# KiCad board IotThermalCamera.kicad_pcb (continued)
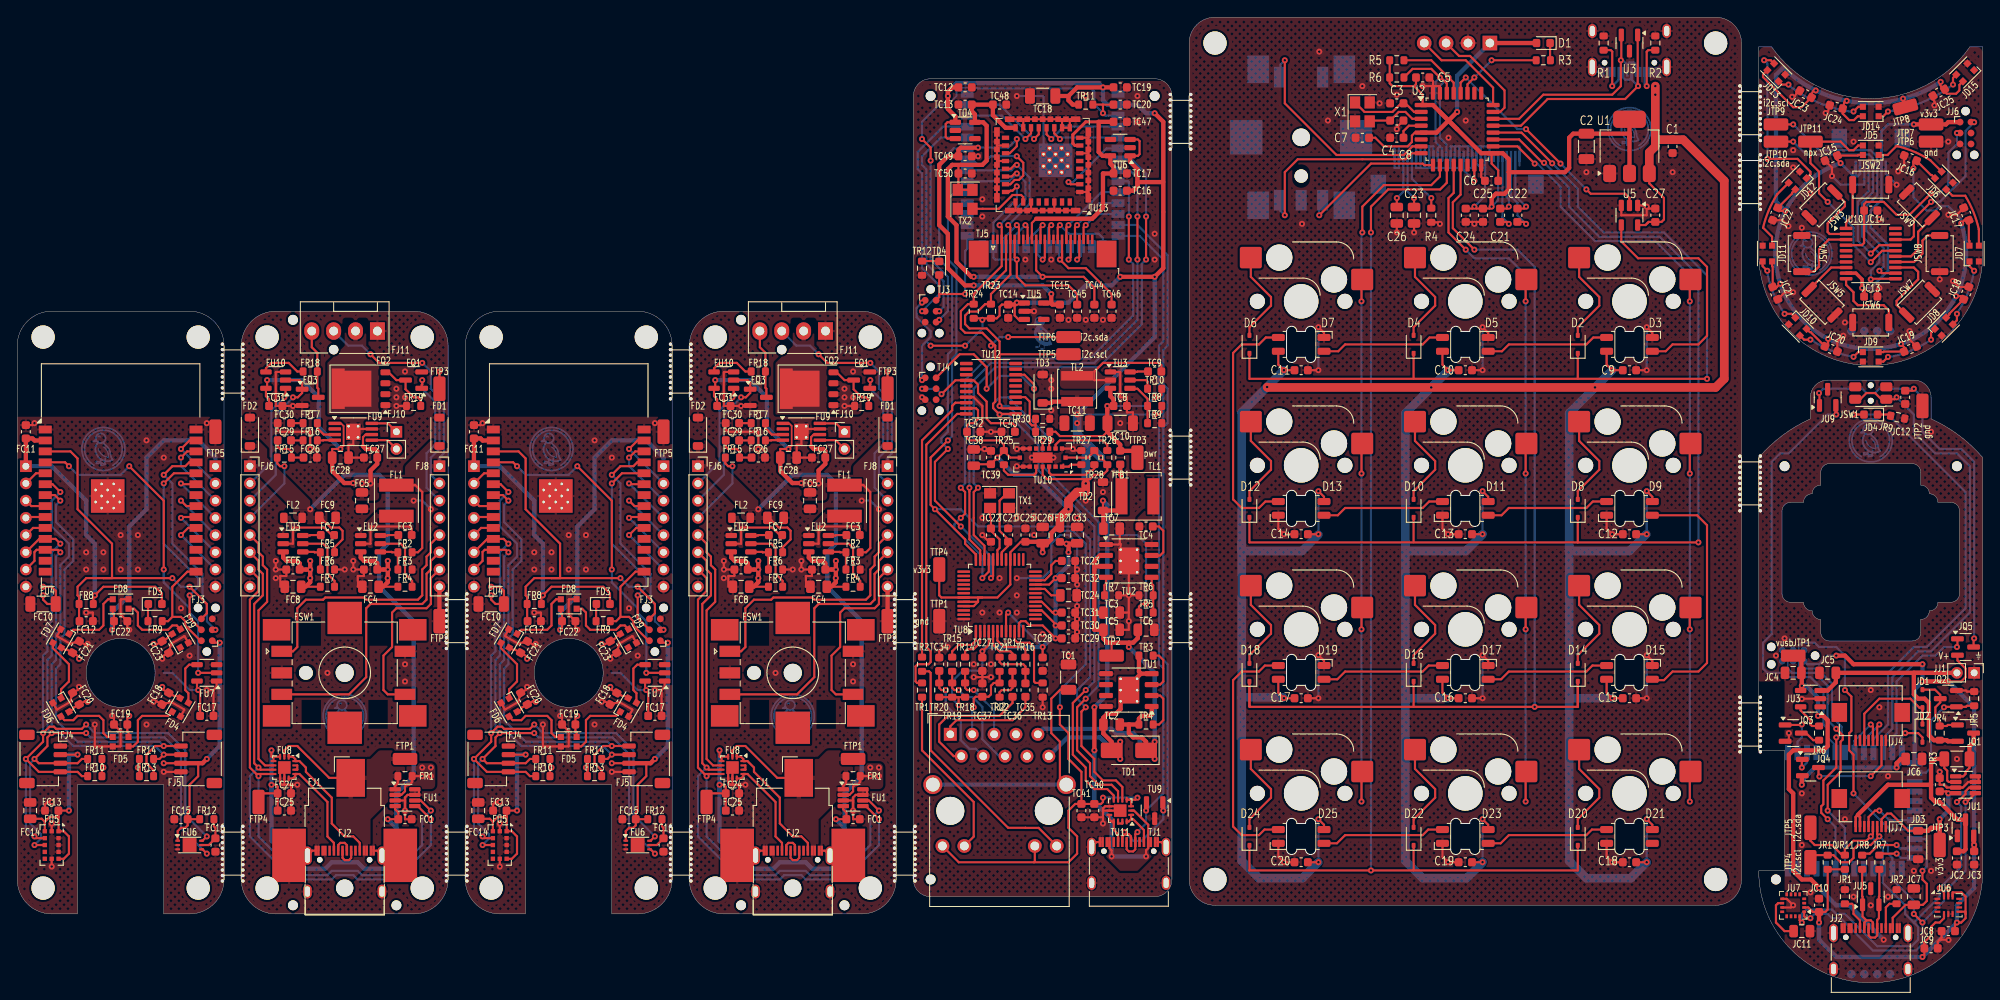
[diagram p0: board, top side]
## Routing (per net, layer and track width the routed paths; a pad name or vN(x,y) marks a point on that pad's centre or on a via; arc(x,y) is an arc through that point) (continued)
Jbtns_btns.sw[6].out: length 7.3
  Front w0.26: JSW8.1 221.7,86.8 221.1,86.2 221.1,84.7 220.12,83.72 217.96,83.72
Jbtns_btns.sw[7].out: length 7.3
  Front w0.26: JSW9.1 220.6,87.23 220.6,85.2 219.78,84.38 JU10.15
Jbtns_btns.vbat: length 157.2
  Front w0.25: v1(218.6,74.2) 218.98,73.82 JC19.1 216.62,73.32 216.55,73.25 JD9.4 ; v1(223.22,104.64) 223.13,104.34 223.52,103.66 223.92,103.26 225,103.26 225.39,103.65 225.39,104.29 JD15.4 ; JD8.4 224.22,77.63 224.22,77.72 JC18.1 225.53,79.75 v1(225,79.75) ; v1(208.72,103.64) 208.41,103.56 208.02,102.89 ; JD10.4 208.03,75.58 208.12,75.58 JC20.1 210.15,74.27 v1(210.15,74.8) ; v1(205.2,89.65) 204.67,89.65 JC22.1 205.98,91.68 205.98,91.77 JD12.4 ; JD13.4 202.6,105.49 202.6,105.2 206.1,101.7 207.08,101.7 JC23.1 ; JD11.4 203.65,83.25 203.72,83.18 JC21.1 204.22,80.82 v1(204.6,81.2) ; JD5.4 213.65,96.15 213.58,96.08 JC15.1 211.22,95.58 v1(211.6,95.2) ; v1(218.85,102.7) 218.85,101.95 219.1,101.7 ; JD14.4 213.6,100.65 213.15,100.2 212.6,100.2 211.84,100.96 JC24.1 212.04,102.28 v1(212.31,102.44) ; v1(220.05,94.6) 220.05,95.13 JC16.1 222.08,93.82 222.17,93.82 JD6.4 ; v1(225.6,88.2) 225.98,88.58 JC17.1 226.48,86.22 226.55,86.15 JD7.4
  Back w0.25: v1(225.6,88.2) 225.6,88.7 224.1,90.2 223.1,90.2 222.6,89.7 221.6,89.7 220.05,91.25 v1(220.05,94.6)
  Back w0.3: 213.35,93.7 213.6,93.7 213.85,93.95 JJ8.2 ; 213.35,93.7 JJ8.1 ; 213.35,93.7 213.1,93.7 v1(211.6,95.2)
  Back w0.5: 223.1,104.58 arc(213.72,102.24) 204.96,106.3 204.1,105.45 204.1,90.75 v1(205.2,89.65) ; v1(225.6,88.2) arc(210.15,74.8) v1(211.6,95.2)
Jbumper_sw.out: length 56.8
  Front w0.25: JSW1.1 213.88,67.78 214.6,68.5 215.6,68.5 216.32,67.78 JSW1.1 217.88,67.78 v1(218.1,68)
  Back w0.25: JU4.11 216.5,28.4 217.6,29.5 217.6,35.5 220.6,38.5 222.1,38.5 226.6,43 226.6,60 225.1,61.5 222.57,61.5 220.1,63.97 220.1,66 v1(218.1,68)
Jchg.ic.prog: length 3.6
  Front w0.25: JR6.2 208.28,29.82 208.1,30 208.1,30.5 206.96,31.64 JU3.5
Jchg.prog_ctl: length 5.4
  Front w0.25: v1(207.1,30) 207.05,29.95 JQ3.1
  Back w0.25: JU4.2 206.6,28 207.1,28.5 v1(207.1,30)
Jchg.prog_res.gnd: length 1.8
  Front w0.25: JR6.1 208.43,28.18 207.6,29
Jgate.btn_in: length 12.9
  Front w0.25: JJ4.6 214.35,31.25 216.1,33 219.7,33 220.75,31.95 JD1.1 JD2.1
Jgate.btn_out: length 5.2
  Front w0.25: JD2.2 221.1,28.5 220.6,29 v1(219.1,29)
  Back w0.25: JU4.13 218.7,28.6 v1(219.1,29)
Jgate.control: length 13.3
  Front w0.25: v1(223.6,32) 223.65,32.05 JQ2.1 226.15,32.05 226.28,32.18 JR5.2
  Back w0.25: JU4.15 221.5,24.4 222.1,25 222.1,30.5 v1(223.6,32)
Jgate.pull_res.b: length 8.5
  Front w0.25: JQ1.1 224.05,29.95 223.93,29.82 JR4.2 223.1,30.5 222.6,31 222.6,32 223.16,32.56 JQ2.3 223.16,33.44 222.55,34.05 JD1.2
Jgnd: length 19.4
  Front w0.25: JU3.2 207.13,33 v1(207.1,32.97) ; 223.1,5 223.32,5.22 JC8.2 ; 223.1,5 222.88,4.78 JC9.2 ; 223.1,5 224.1,5 v1(224.13,4.97) ; JU7.9 205.35,9.75 v1(206.1,9) 205.85,8.75 JU7.11 ; 227.6,24 227.6,23.2 ; 227.6,24 227.57,23.97 JU1.8 227.26,24 227.6,24 ; JR5.1 226.28,33.82 226.15,33.95 JQ2.2 ; JC7.2 219.55,10.95 ; JQ3.2 205.21,28 205.6,28 v1(205.6,29) ; JC1.2 223.1,23 223.6,23 223.93,22.68 JU1.3 225.78,22.68 226.43,23.32 JU1.7
  Back w0.5: JJ3.5 204.74,37.37
  vias: v1(204.1,38) v1(205.1,40) v1(207.1,22) v1(207.1,16) v1(208.1,10.5) v1(212.1,19) v1(213.1,10) v1(215.1,34) v1(215.1,9) v1(216.1,32) v1(217.1,24) v1(217.1,10) v1(220.1,13) v1(222.1,64) v1(222.1,13) v1(223.1,24.5) v1(225.1,26)
Jledr.package.k: length 1.6
  Front w0.25: JD4.1 217.27,66 JR9.1
Jledr.signal: length 53.5
  Front w0.25: v1(213.1,66) JD4.2
  Back w0.25: v1(213.1,66) 217.1,66 226.1,57 226.1,43.5 221.6,39 220.1,39 217.1,36 217.1,30 215.4,28.3 JU4.10
Jmag.ic.c1: length 5.3
  Front w0.25: JU7.10 204.35,9.25 204.1,9 204.1,7 205.1,6 JC11.1
Jmcu.reset_node: length 33.6
  Front w0.25: v1(213.1,22) 213.1,26.5 212.6,27 212.6,29 212.85,29.25 212.85,33.25 v1(212.1,34)
  Back w0.16: JJ3.3 206.1,37.69 206.75,38.33 206.75,39.15
  Back w0.25: v1(212.1,34) 212.1,38 211.1,39 209.1,39 208.6,39.5 207.1,39.5 206.75,39.15 ; JU4.21 217.3,17.8 v1(213.1,22)
Jmcu.swd_node.swclk: length 31.4
  Front w0.25: v1(211.1,29.5) 211.85,28.75 211.85,28.25 211.6,28 211.6,24.5 210.1,23 v1(210.1,20)
  Back w0.16: JJ3.4 205.48,38.01 205.48,36.5
  Back w0.25: v1(211.1,29.5) 210.1,30.5 210.1,34.5 208.6,36 205.98,36 205.48,36.5 ; v1(210.1,20) 212.1,18 JU4.31
Jmcu.swd_node.swdio: length 30.4
  Front w0.25: v1(211.1,28.5) 211.1,25 209.6,23.5 209.6,20.75 209.35,20.5 209.35,19.75 v1(210.1,19)
  Back w0.16: 206.75,36.85 206.75,37.9 207.37,38.52 JJ3.2
  Back w0.25: v1(211.1,28.5) 211.72,29.12 211.72,29.76 210.6,30.88 210.6,34.75 208.85,36.5 207.1,36.5 206.75,36.85 ; JU4.32 211,18.1 v1(210.1,19)
Jmcu.usb_res.interior.dm: length 8.5
  Front w0.25: JR8.2 214.28,15 214.97,15 215.97,16 v1(218.1,16)
  Back w0.25: 218.5,15.6 v1(218.1,16) ; 218.5,15.6 JU4.23 218.5,15.6
Jmcu.usb_res.interior.dp: length 4.5
  Front w0.25: 216.6,15 216.28,15 v1(218.1,15)
  Back w0.25: JU4.24 218.6,14.5 v1(218.1,15)
Jstick.ax1: length 6
  Front w0.25: JJ4.4 215.35,29.75 v1(215.1,30)
  Back w0.25: JU4.8 213.2,28.1 v1(215.1,30)
Jstick.ax2: length 5.9
  Front w0.25: v1(216.1,30) 215.85,29.75 JJ4.3
  Back w0.25: JU4.9 214.3,28.2 v1(216.1,30)
Jstick.pwr: length 11.7
  Front w0.25: JQ4.3 209.04,24.06 v1(209.15,23.95) ; v1(215.1,24) 216.35,25.25 JJ4.2
  Back w0.25: v1(209.15,23.95) 209.19,24 v1(215.1,24)
Jstick_gate.control: length 3.4
  Front w0.25: 207.6,26 207.21,26 207.1,25.89 v1(207.1,25)
  Back w0.25: JU4.3 207.7,25.6 v1(207.1,25)
Jtrig.out: length 51.1
  Front w0.25: v1(211.1,66) 211.05,66.05 JU9.2
  Back w0.25: JU4.6 211,27.6 210.1,28.5 210.1,29.5 209.6,30 209.6,34 208.1,35.5 205.6,35.5 205.1,36 203.1,36 202.6,36.5 202.6,39.5 203.6,40.5 203.6,60.5 204.6,61.5 205.6,61.5 210.1,66 v1(211.1,66)
Jtrig.pwr: length 48.6
  Front w0.25: v1(220.1,69) 219.88,68.78 JC12.1 ; JQ5.3 227.04,39.94 v1(227.1,40) ; v1(209.1,68.5) 209.15,68.45 JU9.1
  Back w0.25: v1(209.1,68.5) 209.6,69 214.1,69 214.6,68.5 215.6,68.5 216.1,69 v1(220.1,69) 221.1,68 221.1,64 223.1,62 225.61,62 227.1,60.51 v1(227.1,40)
Jtrig_gate.control: length 18.1
  Front w0.25: v1(225.1,39) 225.16,39.06 JQ5.1
  Back w0.25: JU4.12 217.6,28.5 218.1,29 218.1,35 221.1,38 222.6,38 223.6,39 v1(225.1,39)
Jusb.conn.cc.cc1: length 4
  Front w0.25: JR1.2 212.93,9.18 213.1,9 213.1,8 213.85,7.25 JJ2.A5
Jusb.conn.cc.cc2: length 3.8
  Front w0.25: JJ2.B5 216.85,8.75 217.28,9.18 JR2.2
Jusb_chain_0.d_N: length 8.6
  Front w0.25: 214.6,7.25 214.15,7.7 JU5.1 214.15,10 214.1,10.05 JR8.1 ; 214.6,7.25 214.35,7 JJ2.B7 ; 214.6,7.25 215.1,7.25 215.35,7 JJ2.A7
Jusb_chain_0.d_P: length 9.8
  Front w0.25: JR7.1 216.1,10.05 216.05,10 JU5.2 216.05,7.5 215.85,7.3 JJ2.B6 215.85,5.5 215.6,5.25 215.1,5.25 214.85,5.5 JJ2.A6
Jv3v3: length 150.9
  Front w0.25: 226.1,8 226.1,10.03 225.62,10.5 224.6,10.5 JU6.12 ; 226.1,8 226.1,7.5 225.6,7 v1(225.1,7) 224.88,6.78 JC8.1 ; 226.1,8 226.1,8.25 JU6.8 ; JQ5.2 225.16,37.44 226.1,36.5 226.1,35.5 225.6,35 v1(224.1,35) ; JJ7.2 216.35,19 217,19.65 217.45,19.65 219.45,17.65 JD3.1 ; JC9.1 221.32,4.72 ; 221.32,4.72 222.1,5.5 222.1,6.5 222.6,7 223.1,7 223.6,7.5 JU6.5 ; 221.32,4.72 221.32,3.22 v1(221.1,3) ; JU1.4 224.07,22.03 223.88,22.22 ; JU7.2 207.85,8.75 208.38,8.22 JC10.1 209.82,8.22 210.1,8.5 JR10.1 JR11.1 ; 223.88,22.22 v1(224.1,22) ; 223.88,22.22 JC1.1
  Front w0.5: v1(221.1,37) 213.1,37 212.1,38 v1(211.1,38) ; v1(224.1,35) v1(221.1,35) ; v1(209.1,7) JC10.1 ; v1(223.1,19) 223.1,18 ; 223.1,18 JTP3.1 ; 223.1,18 222.1,18 221.75,17.65 JD3.1 ; v1(207.1,23) 207.11,23.01 207.11,24 JQ4.2 ; v1(218.1,25) 218.1,25.5 218.6,26 JC6.1 ; JU2.2 227.05,16.05 v1(227.1,16) JC3.1
  Back w0.25: JJ3.1 207.74,37 209.1,37 210.1,38 v1(211.1,38)
  Back w0.4: JU4.14 218.6,25.5 v1(218.1,25)
  Back w0.5: v1(207.1,23) 207.1,23.5 208.6,25 v1(218.1,25) ; v1(223.1,19) 224.1,20 v1(224.1,22) 227.1,22 ; 227.1,22 227.1,32 v1(224.1,35) ; 227.1,22 227.1,11 225.1,9 v1(225.1,7) v1(221.1,3) 211.1,3 209.1,5 v1(209.1,7) ; JU4.14 220.2,34.1 v1(221.1,35) v1(221.1,37)
Jvbat: length 30.4
  Front w0.5: JQ1.2 224.05,28.05 223.93,28.18 JR4.1 222.43,28.18 221.85,28.75 221.85,32.5 221.35,33 220.6,33 220.1,33.5 220.1,36 JJ1.2 ; 221.1,36 JC5.1 211.05,34.9 210.1,33.95 JU3.3
Jvbat_gated: length 31.9
  Front w0.25: JU1.2 224.15,23.32 223.97,23.5 223.97,24.62 223.64,24.96 JR3.2
  Front w0.3: JJ7.7 213.85,19.25 213.6,19.5 213.35,19.25 JJ7.8
  Front w0.5: 222.1,23 222.1,25.5 222.6,26 JR3.2 ; 222.1,23 217.1,23 213.6,19.5 ; 222.1,23 222.1,21.5 222.6,21 223.1,21 225.16,18.94 JU2.3 226.1,15.5 225.88,15.28 JC2.1
Jvbat_sense.i2c.scl: length 61.4
  Front w0.25: 208.1,14.5 208.43,14.82 JR10.2 210.78,14.82 211.6,14 212.6,14 213.1,14.5 213.1,15.5 213.6,16 215.1,16 v1(216.1,17) 215.85,17.25 JJ7.3 ; JU6.13 v1(224.1,11) ; v1(208.1,7.5) 207.6,7.5 207.38,7.72 JU7.1 ; JU1.5 226.21,21 v1(226.1,21) ; v1(220.1,8) v1(221.1,7)
  Back w0.25: v1(220.1,8) 220.1,9.5 217.6,12 JU4.26 217.6,14.5 217.1,15 217.1,16 v1(216.1,17) ; v1(208.1,7.5) 208.6,8 210.1,8 210.6,7.5 211.6,7.5 215.35,3.75 220.35,3.75 221.1,4.5 v1(221.1,7) 223.6,9.5 223.6,10.5 v1(224.1,11) 226.1,13 v1(226.1,21)
Jvbat_sense.i2c.sda: length 64.3
  Front w0.25: JU7.16 206.85,7.25 v1(207.1,7) ; JTP5.1 208.1,16.5 208.6,16 210.6,16 211.78,14.82 JR11.2 212.1,15.5 213.1,16.5 214.6,16.5 v1(215.1,17) 215.35,17.25 JJ7.4 ; JU6.14 223.6,10.5 v1(223.1,11) ; v1(225.1,21) 225.17,21 226.1,21.93 226.1,22.25 226.53,22.68 JU1.6
  Back w0.25: 220.1,7 219.1,8 219.1,9 216.5,11.6 JU4.27 216.5,15.6 v1(215.1,17) ; 220.1,7 223.1,10 v1(223.1,11) 225.6,13.5 225.6,20.5 v1(225.1,21) ; 220.1,7 220.6,6.5 220.6,5 219.85,4.25 215.85,4.25 212.1,8 211.1,8 210.6,8.5 207.6,8.5 207.1,8 v1(207.1,7)
Jvbat_sense.sense_pwr_in: length 6.4
  Front w0.25: JU1.1 225.82,23.97 226.1,24.25 226.1,24.5 226.56,24.96 JR3.1
  Front w0.5: JR3.1 226.56,27.46 227.04,27.94 JQ1.3
Jvusb: length 60.8
  Front w0.25: v1(221.1,13) 221.1,12 221.6,11.5 221.6,9.5 221.15,9.05 JC7.1 219.15,9.05 217.65,7.55 JJ2.A9
  Front w0.5: v1(209.1,11) 209.1,11.06 208.16,12 207.1,12 206.1,13 206.1,22 205.6,22.5 205.6,26.5 206.1,27 209.6,27 210.1,27.5 210.1,30.5 209.6,31 v1(208.97,31) ; 207.1,34.09 JU3.4 ; 207.1,34.09 207.1,35.95 JC4.1 207.05,37.95 207.1,38 ; 207.1,34.09 v1(207.1,34.5)
  Back w0.25: JU4.22 221.4,16.7 221.6,16.5 221.6,13.5 v1(221.1,13)
  Back w0.5: v1(209.1,11) 211.1,9 212.6,9 v1(216.6,5) ; v1(208.97,31) 208.97,33.12 207.6,34.5 v1(207.1,34.5)
ledr.package.k: length 2
  Front w0.25: D1.1 177.89,107.19 R3.1
ledr.signal: length 10.2
  Front w0.25: v1(171.1,107.15) R3.2 ; U2.27 168.3,104.35 v1(169.1,105.15)
  Back w0.25: v1(169.1,105.15) v1(171.1,107.15)
mcu.gpio.sw_col_0: length 107.8
  Front w0.25: SW1.1 194.19,81.23 194.1,81.15 v1(194.1,79.15) ; SW7.1 194.19,43.13 194.1,43.05 v1(194.1,41.05) ; U2.18 174.1,97.15 v1(176.1,95.15) ; SW10.1 194.1,24.46 v1(194.1,21.05) ; v1(194.1,59.15) 194.1,62.56 SW4.1
  Back w0.25: 194.1,45.15 v1(194.1,79.15) 194.1,82.15 190.1,86.15 183.1,86.15 179.1,90.15 179.1,92.45 176.4,95.15 v1(176.1,95.15) ; 194.1,45.15 v1(194.1,21.05) ; 194.1,45.15 v1(194.1,41.05)
mcu.gpio.sw_col_1: length 96.5
  Front w0.25: v1(175.05,21.05) 175.05,24.46 SW11.1 ; v1(168.1,85.15) 166.1,87.15 166.1,91.15 166.7,91.75 U2.12 ; SW5.1 175.05,62.56 v1(175.05,59.15) ; v1(175.05,79.15) 175.05,81.15 175.13,81.23 SW2.1 ; SW8.1 175.13,43.13 175.05,43.05 v1(175.05,41.05)
  Back w0.25: 175.05,45.15 v1(175.05,79.15) 175.05,82.2 173.1,84.15 169.1,84.15 v1(168.1,85.15) ; 175.05,45.15 v1(175.05,41.05) ; 175.05,45.15 v1(175.05,21.05)
mcu.gpio.sw_col_2: length 94.2
  Front w0.25: U2.10 165.1,93.65 164.1,92.65 158.6,92.65 156.1,90.15 v1(156.1,87.15) ; SW12.1 156,24.46 v1(156,21.05) ; v1(156,41.05) 156,43.05 156.09,43.13 SW9.1 ; v1(156,79.15) 156,81.15 156.09,81.23 SW3.1 ; v1(156,59.15) 156,62.56 SW6.1
  Back w0.25: 156,42.15 v1(156,79.15) 156,87.05 v1(156.1,87.15) ; 156,42.15 v1(156,21.05) ; 156,42.15 v1(156,41.05)
mcu.gpio.sw_row_0: length 106.9
  Front w0.25: D4.1 162.05,70.15 ; U2.20 174.57,98.75 v1(178.13,95.18) ; 181.1,70.15 v1(196.1,70.15) ; 181.1,70.15 143,70.15 D6.1 ; 181.1,70.15 D2.1
  Back w0.25: v1(196.1,70.15) 196.1,82.15 191.1,87.15 184.1,87.15 181.1,90.15 181.1,92.22 v1(178.13,95.18)
mcu.gpio.sw_row_1: length 123.4
  Front w0.25: D8.1 181.1,51.15 ; 181.1,51.15 143,51.15 D12.1 ; 181.1,51.15 v1(195.1,51.15) ; U2.19 174.3,97.95 177.01,95.24 v1(177.19,95.24) ; D10.1 162.05,51.15
  Back w0.25: v1(177.19,95.24) 180.1,92.33 180.1,90.15 183.6,86.65 190.6,86.65 195.1,82.15 v1(195.1,51.15)
mcu.gpio.sw_row_2: length 123.1
  Front w0.25: D16.1 162.05,32.05 ; 181.1,32.05 D14.1 181.1,32.05 ; 181.1,32.05 143.1,32.05 143,32.15 ; 143,32.15 143,32.05 D18.1 143,32.15 ; U2.13 167.5,91.55 166.6,90.65 166.6,87.65 v1(169.1,85.15)
  Back w0.25: v1(169.1,85.15) 174.1,85.15 176.1,83.15 v1(176.1,32.05)
mcu.gpio.sw_row_3: length 135.9
  Front w0.25: D24.1 143,13.05 181.1,13.05 D20.1 ; U2.11 165.9,92.92 165.13,92.15 159.1,92.15 157.1,90.15 v1(157.1,87.15) ; D22.1 162.05,13.05
  Back w0.25: v1(157.1,87.15) v1(157.1,13.05)
mcu.ic.nrst: length 3.1
  Front w0.25: C8.1 160.88,98.92 161.5,99.55 U2.4
mcu.ic.swclk: length 12.2
  Front w0.25: J2.4 165.28,107.15 168.1,107.15 171.28,103.97 U2.24
mcu.ic.swdio: length 12.6
  Front w0.25: J2.3 167.32,107.65 168.6,107.65 172.6,103.65 172.6,101.65 172.1,101.15 U2.23
mcu.xtal_node.xi: length 9
  Front w0.25: X1.1 156.35,101.15 159.6,101.15 160.6,102.15 C3.1 161.1,102.15 162.1,101.15 U2.2
mcu.xtal_node.xo: length 6.8
  Front w0.25: U2.3 161.9,100.35 161.1,101.15 160.32,101.15 C4.1 157.05,100.15 X1.3
npx_shift.input: length 27.7
  Front w0.25: U2.28 167.5,104.55 v1(168.1,105.15) ; U5.2 187.1,91.15 186.6,91.65 182.6,91.65 v1(182.1,92.15) ; v1(175.1,99.15) v1(179.1,95.15)
  Back w0.25: v1(168.1,105.15) 174.1,99.15 v1(175.1,99.15) ; v1(179.1,95.15) v1(182.1,92.15)
oled.device.c1n: length 9.3
  Front w0.25: v1(173.1,88.15) 172.88,88.38 C21.2
  Back w0.25: J3.5 172.35,88.9 v1(173.1,88.15)
oled.device.c1p: length 7
  Front w0.25: 172.1,89.92 172.88,89.92 v1(173.1,90.15)
  Back w0.25: v1(173.1,90.15) 173.1,91.02 172.85,91.27 J3.4
oled.device.c2n: length 9.7
  Front w0.25: v1(175.1,88.15) 174.88,88.38 C22.2
  Back w0.25: v1(175.1,88.15) 174.1,89.15 174.1,90.58 173.35,91.33 J3.3
oled.device.c2p: length 7.5
  Front w0.25: 174.1,89.92 174.88,89.92 v1(175.1,90.15)
  Back w0.25: v1(175.1,90.15) 173.85,91.4 J3.2
oled.device.iref: length 7
  Front w0.25: v1(164.1,91.15) R4.2
  Back w0.25: v1(164.1,91.15) 161.85,93.4 J3.26
oled.device.vcc: length 6.2
  Front w0.25: C26.1 v1(160.1,91.15)
  Back w0.25: v1(160.1,91.15) 160.85,91.9 J3.28
oled.device.vcomh: length 6.2
  Front w0.25: C23.1 v1(162.1,91.15)
  Back w0.25: J3.27 161.35,91.9 v1(162.1,91.15)
oled.i2c.scl: length 18
  Front w0.25: U2.29 166.7,104.55 v1(166.1,105.15) 164.1,107.15 R5.2
  Back w0.25: v1(166.1,105.15) 165.1,104.15 165.1,98.15 165.85,97.4 J3.18
oled.i2c.sda: length 18.1
  Front w0.25: R6.2 161.93,106.15 164.1,106.15 v1(165.1,105.15) 165.21,105.15 165.9,104.46 U2.30
  Back w0.25: J3.20 164.85,96.9 165.1,97.15 ; J3.19 165.35,96.9 165.1,97.15 ; 165.1,97.15 164.6,97.65 164.6,104.65 v1(165.1,105.15)
oled.reset: length 5.2
  Front w0.25: U2.15 v1(169.1,93.15)
  Back w0.25: J3.14 167.85,94.4 v1(169.1,93.15)
reg.pwr_out: length 105.3
  Front w0.25: 168.1,89.92 168.88,89.92 v1(169.1,90.15) 169.32,89.92 170.88,89.92 v1(171.1,90.15) ; 162.1,104.15 162.32,104.38 C5.1 ; 162.1,104.15 159.6,104.15 159.28,104.47 R6.1 R5.1 ; 162.1,104.15 163.1,103.15 163.1,102.15 ; C7.1 157.6,98.15 158.6,97.15 161.35,97.15 161.85,97.65 161.85,98.4 162.2,98.75 U2.5 ; 171.1,96.15 171.1,95.15 171.88,94.38 C6.1
  Front w0.5: 167.1,99.15 166.1,100.15 ; 167.1,99.15 169.9,96.35 U2.17 172.4,96.35 173.1,95.65 173.1,94.15 ; 167.1,99.15 165.1,101.15 ; 166.1,100.15 v1(167.1,101.15) ; 166.1,100.15 164.7,98.75 U2.5 ; 166.1,100.15 165.1,101.15 ; 187.1,98.15 187.1,98.62 C2.1 180.57,98.62 180.1,98.15 180.1,94.65 179.6,94.15 173.1,94.15 ; 187.1,98.15 U1.2 ; 187.1,98.15 U1.2 ; 165.1,101.15 164.3,101.95 U2.1 ; 173.1,94.15 173.1,92.15 172.6,91.65 171.6,91.65 171.1,91.15 v1(171.1,90.15) ; J2.1 D1.2
  Back w0.25: J3.9 170.35,94.65 ; 170.35,94.65 169.85,94.65 169.35,95.15 J3.11 ; 170.35,94.65 170.35,91.4 v1(169.1,90.15) ; J3.6 171.85,90.9 v1(171.1,90.15)
  Back w0.5: v1(167.1,101.15) 167.1,105.35 J2.1
sw.npx_din: length 28.2
  Front w0.25: D3.4 191.3,73.35 192.1,74.15 195.1,74.15 196.1,75.15 196.1,83.15 195.1,84.15 188.1,84.15 186.15,86.1 U5.4
sw.sw[0,0].npx_dout: length 14.4
  Front w0.25: D3.2 182.9,74.95 182.1,74.15 173.1,74.15 172.3,73.35 D5.4
sw.sw[0,0].sw.com: length 11
  Front w0.25: SW1.2 181.26,81.99 183.6,79.65 183.6,78.65 181.1,76.15 D2.2
sw.sw[0,1].npx_din: length 14.4
  Front w0.25: D9.4 182.85,55.9 182.1,55.15 173.1,55.15 172.25,54.3 D11.2
sw.sw[0,1].npx_dout: length 30
  Front w0.25: D15.4 189.85,35.15 191.1,35.15 192.1,36.15 195.1,36.15 196.1,37.15 196.1,53.15 194.95,54.3 D9.2
sw.sw[0,1].sw.com: length 11
  Front w0.25: SW4.2 181.26,62.94 183.6,60.6 183.6,59.6 181.1,57.1 D8.2
sw.sw[0,2].npx_dout: length 14.4
  Front w0.25: D17.4 172.2,35.25 173.1,36.15 182.1,36.15 182.8,36.85 D15.2
sw.sw[0,2].sw.com: length 11
  Front w0.25: SW7.2 181.26,43.89 183.6,41.55 183.6,40.55 181.1,38.05 D14.2
sw.sw[0,3].npx_din: length 14.4
  Front w0.25: D23.2 172.15,16.2 173.1,17.15 182.1,17.15 182.75,17.8 D21.4
sw.sw[0,3].sw.com: length 11
  Front w0.25: D20.2 181.1,19 183.6,21.5 183.6,22.5 181.26,24.84 SW10.2
sw.sw[1,0].npx_dout: length 14.4
  Front w0.25: D5.2 163.9,74.95 163.1,74.15 154.1,74.15 153.3,73.35 D7.4
sw.sw[1,0].sw.com: length 11
  Front w0.25: D4.2 162.05,76.15 164.55,78.65 164.55,79.65 162.21,81.99 SW2.2
sw.sw[1,1].npx_din: length 14.4
  Front w0.25: D11.4 163.85,55.9 163.1,55.15 154.1,55.15 153.25,54.3 D13.2
sw.sw[1,1].sw.com: length 11
  Front w0.25: SW5.2 162.21,62.94 164.55,60.6 164.55,59.6 162.05,57.1 D10.2
sw.sw[1,2].npx_dout: length 14.4
  Front w0.25: D17.2 163.8,36.85 163.1,36.15 154.1,36.15 153.2,35.25 D19.4
sw.sw[1,2].sw.com: length 11
  Front w0.25: D16.2 162.05,38.05 164.55,40.55 164.55,41.55 162.21,43.89 SW8.2
sw.sw[1,3].npx_din: length 14.4
  Front w0.25: D25.2 153.15,16.2 154.1,17.15 163.1,17.15 163.75,17.8 D23.4
sw.sw[1,3].sw.com: length 11
  Front w0.25: D22.2 162.05,19 164.55,21.5 164.55,22.5 162.21,24.84 SW11.2
sw.sw[2,0].npx_dout: length 29
  Front w0.25: D13.4 144.85,55.9 144.1,55.15 142.1,55.15 141.1,56.15 141.1,73.15 142.1,74.15 144.1,74.15 144.9,74.95 D7.2
sw.sw[2,0].sw.com: length 11
  Front w0.25: D6.2 143,76.15 145.5,78.65 145.5,79.65 143.16,81.99 SW3.2
sw.sw[2,1].sw.com: length 11
  Front w0.25: SW6.2 143.16,62.94 145.5,60.6 145.5,59.6 143,57.1 D12.2
sw.sw[2,2].npx_dout: length 28.9
  Front w0.25: D25.4 144.75,17.8 144.1,17.15 142.1,17.15 141.1,18.15 141.1,35.15 142.1,36.15 144.1,36.15 144.8,36.85 D19.2
sw.sw[2,2].sw.com: length 11
  Front w0.25: D18.2 143,38.05 145.5,40.55 145.5,41.55 143.16,43.89 SW9.2
sw.sw[2,3].sw.com: length 11
  Front w0.25: D24.2 143,19 145.5,21.5 145.5,22.5 143.16,24.84 SW12.2
Tcam.dvp8.href: length 4.7
  Front w0.25: TJ5.9 117.25,87.75 v1(117,88)
  Back w0.25: TU7#2.23 115.83,86.83 v1(117,88)
Tcam.dvp8.pclk: length 13.8
  Front w0.25: 121.25,85 121.25,84.25 v1(121,84) ; 121.25,85 TJ5.17 ; 121.25,85 121.25,83.75 122,83 124,83 127,80 TC46.1
  Back w0.25: v1(121,84) 120.91,84.09 TU7#2.19
Tcam.dvp8.vsync: length 4.9
  Front w0.25: TJ5.7 116.25,87.75 v1(116,88)
  Back w0.25: v1(116,88) 114.56,86.56 TU7#2.24
Tcam.dvp8.xclk: length 4.2
  Front w0.25: v1(119,84) 119.25,84.25 TJ5.13
  Back w0.25: v1(119,84) 118.36,84.64 TU7#2.21
Tcam.dvp8.y0: length 4
  Front w0.25: v1(122,84) 122.25,84.25 TJ5.19
  Back w0.25: v1(122,84) 122.17,84.17 TU7#2.18
Tcam.dvp8.y1: length 4.1
  Front w0.25: TJ5.21 123.25,84.25 v1(123,84)
  Back w0.25: v1(123,84) 123.44,84.44 TU7#2.17
Tcam.dvp8.y2: length 6
  Front w0.25: v1(124,88) 123.75,87.75 TJ5.22
  Back w0.25: TU7#2.12 125.29,89.29 v1(124,88)
Tcam.dvp8.y3: length 7.6
  Front w0.25: v1(123,88) 122.75,87.75 TJ5.20
  Back w0.25: v1(123,88) 125.56,90.56 TU7#2.11
Tcam.dvp8.y4: length 9.1
  Front w0.25: v1(122,88) 121.75,87.75 TJ5.18
  Back w0.25: v1(122,88) 125.83,91.83 TU7#2.10
Tcam.dvp8.y5: length 8.4
  Front w0.25: v1(121,88) 120.75,87.75 TJ5.16
  Back w0.25: v1(121,88) 122,87 125.5,87 125.98,86.52 TU7#2.15
Tcam.dvp8.y6: length 4.4
  Front w0.25: v1(120,88) 119.75,87.75 TJ5.14
  Back w0.25: TU7#2.20 119.64,87.64 v1(120,88)
Tcam.dvp8.y7: length 5
  Front w0.25: v1(119,88) 118.75,87.75 TJ5.12
  Back w0.25: TU7#2.22 117.09,86.09 v1(119,88)
Tcam.reset: length 27.3
  Front w0.25: v1(116,92.5) 115.5,92 115.25,92 115.1,91.85 TU13.24 ; TJ5.6 115.75,84.25 v1(116,84) 116,82 117,81 122,81 123,80 TC45.1
  Back w0.25: v1(116,84) 113.5,84 113.28,84.22 TU7#2.25 113.28,88.28 116,91 v1(116,92.5)
Tdist.ic.i2c_rst: length 2.3
  Front w0.25: TR27.2 122.28,60.18 122.05,59.95 TU10.A1
Tdist.ic.int: length 6.8
  Front w0.25: TU10.A3 119.75,59.25 120,59 124,59 124.5,59.5 124.75,59.5 125,59.75 TR28.2
Tdist.ic.lpn: length 5.4
  Front w0.25: TR25.2 114.5,59.5 115,59 118,59 118.25,59.25 TU10.A5
Tdist.ic.rsvd6: length 7.5
  Front w0.25: TR26.2 126.5,62.5 126,63 121,63 120.5,62.5 TU10.C2
Teth.conn.led_grn_cathode: length 29.3
  Front w0.25: TR2.1 105.83,36.18 106,36 106,27 115,18 117,18 117.01,17.99 118.53,17.99 TJ2.14
Teth.conn.led_yel_cathode: length 20.2
  Front w0.25: TR1.1 105,27 111,21 111,16.98 TJ2.12
Teth.conn.shield: length 28.6
  Front w0.25: TC1.1 121.03,34.03 120,33 120,29 121,28 121,23.76 TJ2.SH
  Back w0.5: TJ2.SH TJ2.SH
Teth.eth.rx.center: length 10
  Front w0.25: TR21.2 114,34.78 ; v1(111,32) 111,33 111.22,33.22 TC37.1 112.72,33.22 113,33.5 113,34.5 113.33,34.82 TR22.2
  Back w0.25: v1(111,32) 110.83,31.82 TJ2.3
Teth.eth.rx.neg: length 15.5
  Front w0.25: 109.56,26.32 108.68,26.32 107,28 107,30 108,31 114,31 115.5,32.5 TC36.1
Teth.eth.rx.pos: length 11.8
  Front w0.25: TC35.1 117,32 115.5,30.5 109,30.5 108.28,29.78 TJ2.1
Teth.eth.tx.center: length 12.7
  Front w0.25: TC34.1 TR20.2 107,34.25 107.25,34 v1(107.75,34)
  Back w0.25: TJ2.4 111.24,27.18 110.5,27.18 109.5,28.18 109.5,30.5 107.75,32.25 v1(107.75,34)
Teth.eth.tx.neg: length 13.5
  Front w0.25: TR15.2 TR19.2 108.5,34.25 108.75,34 v1(109.25,34)
  Back w0.25: v1(109.25,34) 110.08,33.18 110.85,33.18 112,32.03 112,28.28 113.96,26.32 114.64,26.32
Teth.eth.tx.pos: length 9.1
  Front w0.25: TR14.2 TR18.2 110,34.25 110.25,34 v1(111,34)
  Back w0.25: TJ2.5 113.36,31.63 v1(111,34)
Teth.led_grn_sink: length 32.4
  Front w0.25: TU12.8 108.88,67.38 108.5,67 108.5,66.5 105,63 TR2.2
Teth.led_yel_sink: length 36.1
  Front w0.25: TU12.10 109.08,66.07 105.5,62.5 105.5,39 106,38.5 106,37.25 105.75,37 104.5,37 104.25,36.75 104.25,35 104.42,34.82 TR1.2
Teth.poe.neg: length 8.6
  Back w0.5: TJ2.10 121.89,28.5 125.64,28.5 126.28,27.86 TJP2.1
Teth.poe.pos: length 13.8
  Back w0.5: TJ2.9 119.08,29.5 127,29.5 127.5,29 129.5,29 130.28,28.22 TJP1.1
Tflir.cs: length 9.5
  Front w0.25: v1(117,98) 117.65,98.65 TU13.14
  Back w0.25: v1(117,98) 114.28,100.72 TU7#2.38
Tflir.ic.master_clk: length 7.3
  Front w0.25: 112,89.9 113.91,89.9 115.51,91.5 116.5,91.5 116.75,91.25 TU13.26 ; TX2.3 112.1,89.9
Tflir.shutdown: length 11.7
  Front w0.25: TU13.23 115.25,92.75 115.75,93.25 116.25,93.25 116.75,93.75 116.75,95.25 v1(116,96)
  Back w0.25: v1(116,96) 113,96 112,95 111.5,95 110.86,95.64 TU7#2.34 110.39,95.5
Tflir.spi.miso: length 9.9
  Front w0.25: v1(120,98) 119.45,98.55 TU13.12
  Back w0.25: v1(120,98) 121.45,99.45 TU7#2.4
Tflir.spi.mosi: length 8.4
  Front w0.25: TU13.11 120.35,98.65 v1(121,98)
  Back w0.25: TU7#2.5 121.18,98.18 v1(121,98)
Tflir.spi.sck: length 10.9
  Front w0.25: TU13.13 118.55,98.55 v1(118,98)
  Back w0.25: v1(118,98) 114.01,101.99 TU7#2.39
Tflir.vsync: length 8.8
  Front w0.25: v1(122,93) 122.25,92.75 TU13.2
  Back w0.25: TU7#2.6 126.41,96.91 122.5,93 v1(122,93)